# Altium PCB OFDMT1.PcbDoc (part 3 of 3)
Units mm, origin at the board's own origin, x right, y up, seen from the top; angles counter-clockwise.
Board outline 40.21 x 28.18 mm, 6 copper layers (Top Layer, GND1, SIGNAL, POWER, GND2, Bottom Layer), stack 0.816 mm thick; 270 components, 194 nets, 1281 pads, 664 vias.
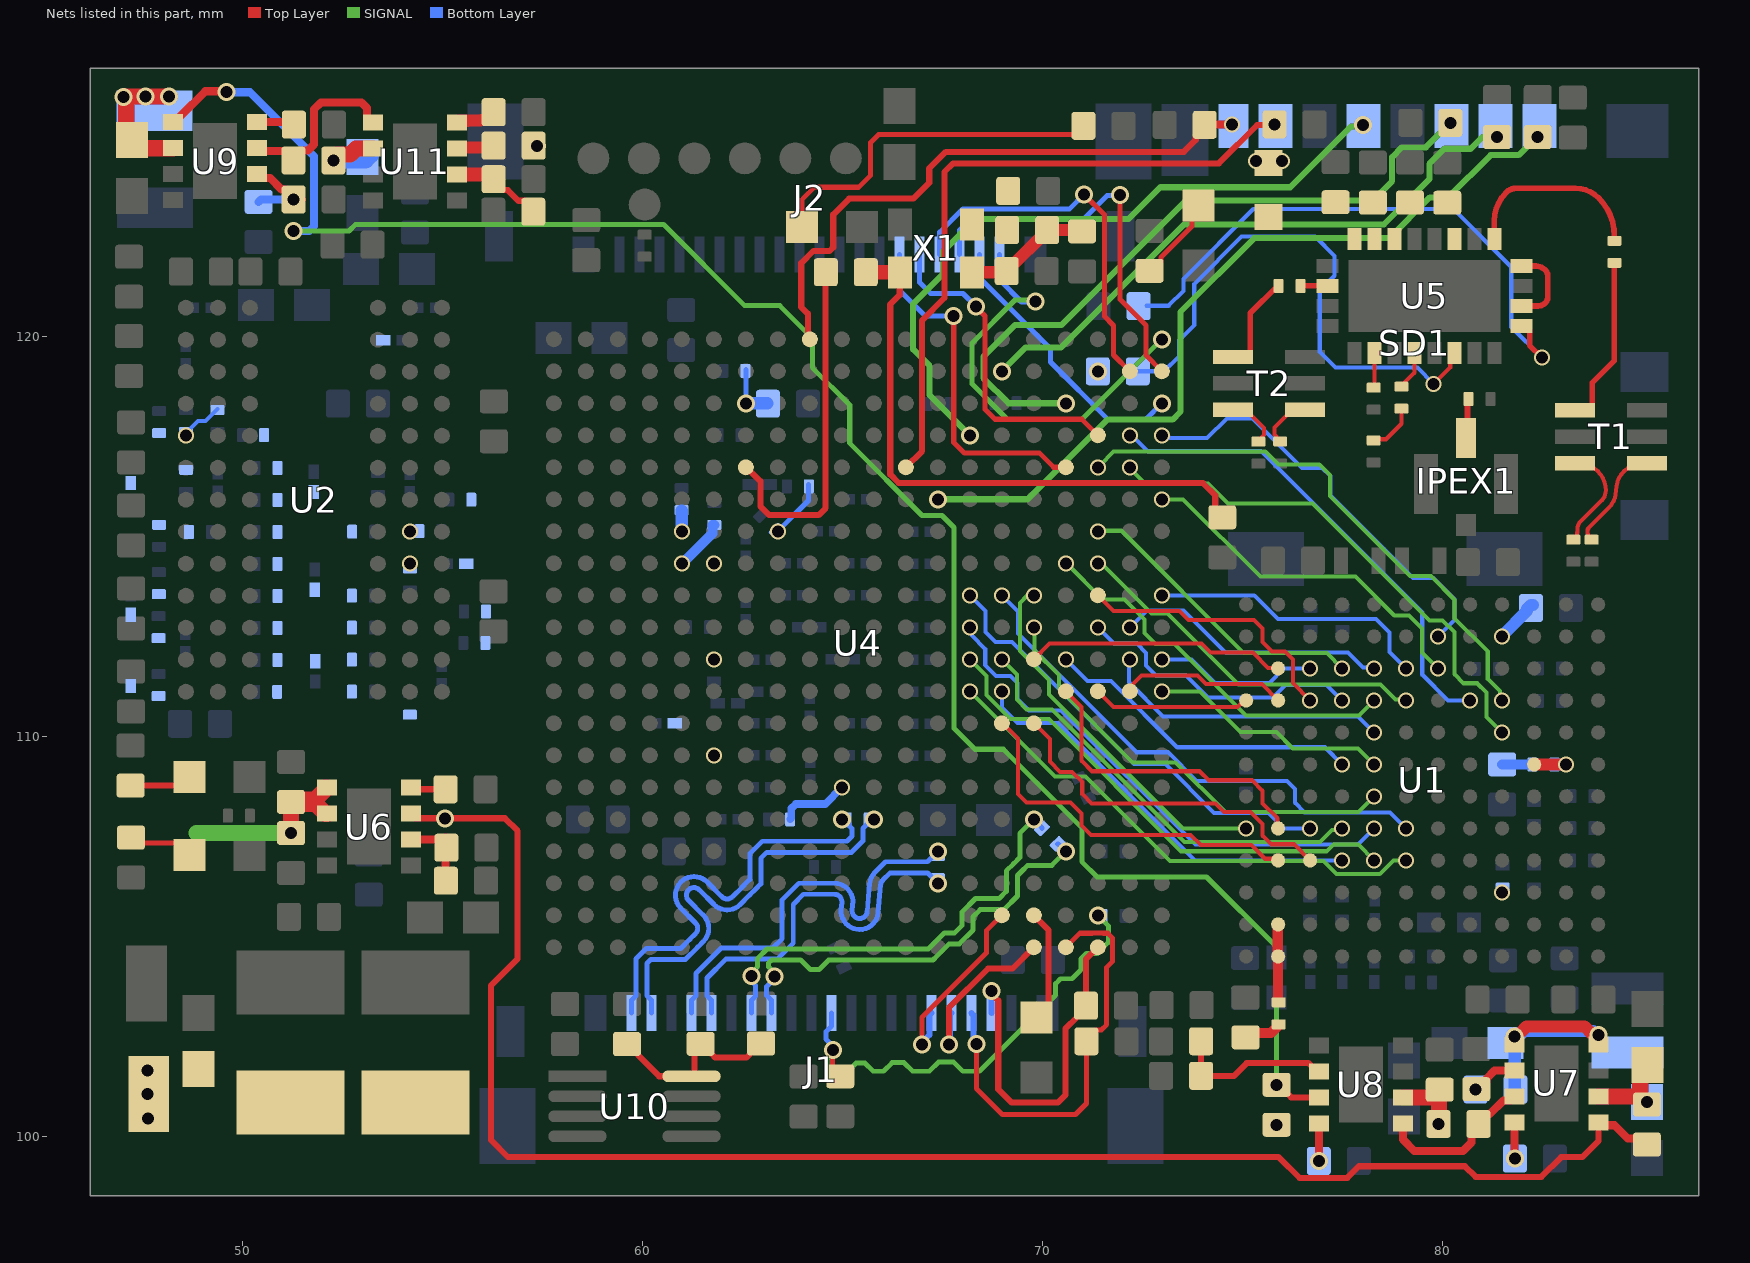
[diagram p7: the nets of this part, all layers, seen from the top]

## Via types
v1: diameter 0.4, hole 0.3, Top Layer to Bottom Layer, tented both sides, 519 vias
v2: diameter 0.45, hole 0.3, Top Layer to Bottom Layer, tented both sides, 130 vias
v3: diameter 0.5, hole 0.3, Top Layer to Bottom Layer, tented both sides, 15 vias

## Nets (pads, with @x,y where several pads share a name; then routed paths per layer and width w, separated by ;. In a path a pad name is that pad's centre, name@x,y a point inside that pad or via, vN(x,y) a via of type N, cw(c..) or ccw(c..) an arc to the next point about the centre after c; other vN are vias at no path point) (continued)
MIPI_D0_P: J1.10 R80.2 R81.1 U4.W18 | length 12.3
  Top Layer w0.123: v2(64.77,102.159) 64.757,102.146 64.757,101.689 R80.2@64.948,101.498
  SIGNAL w0.123: v2(64.77,102.159) 64.77,102.071 64.622,101.923 64.622,101.749 64.746,101.625 65.139,101.625 65.342,101.829 65.568,101.829 65.771,101.625 66.029,101.625 66.245,101.841 66.54,101.841 66.756,101.625 67.174,101.625 67.403,101.854 67.781,101.854 68.01,101.625 68.428,101.625 70.332,103.53 70.332,103.815 70.456,103.938 70.741,103.938 70.96,104.158 70.96,104.434 71.098,104.572 71.374,104.572 71.649,104.847 71.649,105.262 v2(71.387,105.524)
  Bottom Layer w0.123: J1.10@64.728,103.077 64.728,102.752 64.592,102.616 64.592,102.425 64.77,102.247 v2(64.77,102.159)
MIPI_D1_N: J1.13 R78.2 U4.U17 | length 11
  SIGNAL w0.123: v2(63.305,103.999) 63.305,104.087 63.159,104.232 63.159,104.335 63.231,104.407 63.96,104.407 64.197,104.169 64.419,104.169 64.657,104.407 67.265,104.407 67.374,104.515 67.67,104.811 67.924,104.811 68.265,105.152 68.265,105.487 68.445,105.667 69.037,105.667 69.378,106.008 69.378,106.519 69.478,106.62 69.632,106.774 70.236,106.774 v2(70.587,107.124)
  Bottom Layer w0.123: J1.13@63.228,103.077 63.228,103.402 63.107,103.522 63.107,103.744 63.305,103.941 v2(63.305,103.999) ; R78.2@70.381,107.309 70.392,107.309 70.576,107.124 v2(70.587,107.124)
MIPI_D1_P: J1.14 R78.1 U4.T16 | length 11
  SIGNAL w0.123: v2(62.735,104.003) 62.735,104.092 62.882,104.239 62.882,104.447 63.117,104.682 67.151,104.682 67.179,104.71 67.555,105.086 67.81,105.086 67.99,105.266 67.99,105.601 68.331,105.942 68.923,105.942 69.102,106.122 69.102,106.633 69.283,106.815 69.436,106.967 69.436,107.574 v2(69.787,107.924)
  Bottom Layer w0.123: J1.14@62.728,103.077 62.728,103.402 62.832,103.505 62.832,103.768 62.797,103.802 62.797,103.941 v2(62.735,104.003) ; v2(69.787,107.924) 69.787,107.913 69.992,107.708 R78.1@69.992,107.698
MIPI_D2_N: J1.16 R75.2 U4.V13 | length 9.9
  Bottom Layer w0.123: J1.16@61.728,103.077 61.728,103.402 61.616,103.514 61.616,103.957 62.095,104.436 63.382,104.436 63.772,104.826 63.772,105.795 64.027,106.05 64.238,106.05 64.799,106.05 cw(c64.799,105.862) 64.987,105.844 64.971,105.673 ccw(c65.434,105.632) 65.896,105.592 65.958,106.287 cw(c66.146,106.271) 66.013,106.405 66.194,106.586 66.374,106.586 66.912,106.586 67.128,106.586 67.387,106.328 v2(67.387,106.324)
MIPI_D2_P: J1.17 R75.1 U4.U13 | length 10.4
  Bottom Layer w0.123: J1.17@61.228,103.077 61.228,103.402 61.34,103.514 61.34,104.071 61.98,104.711 63.268,104.711 63.497,104.94 63.497,105.91 63.913,106.326 64.263,106.326 64.799,106.326 cw(c64.799,105.862) 65.262,105.889 65.267,105.885 65.246,105.65 ccw(c65.434,105.632) 65.622,105.616 65.684,106.313 cw(c66.146,106.271) 65.818,106.6 66.08,106.862 66.399,106.862 67.026,106.862 67.128,106.862 67.387,107.12 v2(67.387,107.124)
MIPI_D3_N: J1.20 R84.2 U4.T10 | length 10.8
  Bottom Layer w0.123: J1.20@59.728,103.077 59.728,103.402 59.84,103.514 59.84,104.436 60.099,104.695 60.96,104.695 61.189,104.924 61.329,105.064 ccw(c61.197,105.198) 61.33,105.332 60.962,105.699 cw(c61.291,106.028) 60.962,106.356 cw(c61.291,106.028) 61.619,106.355 61.986,105.989 ccw(c62.12,106.122) 62.254,105.989 62.494,106.229 62.636,106.371 62.687,106.422 62.687,107.064 62.998,107.375 65.115,107.375 65.241,107.5 65.241,107.69 65.172,107.759 65.172,107.808 65.153,107.827 65.063,107.827 64.987,107.904 v2(64.987,107.924)
MIPI_D3_P: J1.19 R84.1 U4.T11 | length 10.8
  Bottom Layer w0.123: J1.19@60.228,103.077 60.228,103.402 60.116,103.514 60.116,104.322 60.213,104.419 61.074,104.419 61.384,104.729 61.524,104.869 ccw(c61.197,105.198) 61.525,105.527 61.158,105.894 cw(c61.291,106.028) 61.424,106.161 ; 61.425,106.16 61.791,105.794 ccw(c62.12,106.122) 62.448,105.794 62.689,106.035 62.83,106.176 62.963,106.308 62.963,106.949 63.112,107.099 65.23,107.099 65.517,107.386 65.517,107.697 65.744,107.924 v2(65.787,107.924)
MIPI_GPIO0: J1.4 U4.Y16 | length 4.5
  Top Layer w0.152: v2(67.666,102.298) 67.666,103.215 68.642,104.191 69.253,104.191 U4.Y16@69.787,104.724
  Bottom Layer w0.152: v2(67.666,102.298) 67.687,102.32 67.687,103.036 J1.4@67.728,103.077
MIPI_GPIO1: J1.5 U4.W15 | length 4.9
  Top Layer w0.127: v2(66.988,102.295) 66.988,102.967 68.6,104.579 68.6,105.138 U4.W15@68.987,105.524
  Bottom Layer w0.152: v2(66.988,102.295) 66.988,102.341 67.179,102.533 67.179,103.028 J1.5@67.228,103.077
MIPI_SCL: J1.3 R92.2 U4.Y17 | length 10.9
  Top Layer w0.127: v2(68.351,102.311) 68.351,101.191 69,100.542 70.828,100.542 71.103,100.817 R92.2@71.103,102.375 71.103,102.418 71.338,102.654 71.473,102.654 71.608,102.789 71.608,104.224 71.759,104.374 71.759,104.953 71.636,105.076 71.534,105.076 ; U4.Y17@70.587,104.724 70.938,105.076 71.24,105.076 71.533,105.077
  Bottom Layer w0.152: J1.3@68.228,103.077 68.277,103.028 68.277,102.466 68.351,102.392 v2(68.351,102.311)
MIPI_SDA: J1.2 R91.2 U4.Y18 | length 9
  Top Layer w0.152: v2(68.733,103.631) 68.733,103.558 68.899,103.393 68.899,101.176 69.236,100.839 70.384,100.839 70.583,101.038 70.583,102.695 70.866,102.978 70.866,103.04 R91.2@71.09,103.264 ; R91.2@71.09,103.264 71.09,104.427 U4.Y18@71.387,104.724
  Bottom Layer w0.152: J1.2@68.728,103.077 68.731,103.079 68.731,103.628 v2(68.733,103.631)
NetC1_1: C1.1 FB5.2 R2.2 X1.4 | length 3.3
  Top Layer w0.305: X1.4@68.235,121.599 68.237,121.601 69.125,121.601 C1.1@69.126,121.602 ; C1.1@69.109,121.628 69.109,121.678 69.256,121.826 69.306,121.826 69.94,122.459 69.974,122.459 70.121,122.607 R2.2@70.121,122.657 FB5.2@71.006,122.657
NetC7_2: C7.2 R3.1 | length 0.7
  Bottom Layer w0.254: C7.2@81.496,109.296 R3.1@82.229,109.296
NetC8_2: C8.2 R5.1 | length 1
  Top Layer w0.254: C8.2@75.082,102.472 75.19,102.579 75.713,102.579 R5.1@75.908,102.773
NetC15_2: C15.2 L2.1 R13.1 U7.4 U7.5 | length 5.8
  Top Layer w0.305: v2(81.81,102.498) 81.85,102.498 81.922,102.57 81.933,102.57 82.106,102.743 83.557,102.743 83.742,102.558 83.878,102.558 v2(83.905,102.53)
  Bottom Layer w0.305: R13.1@81.831,101.169 81.81,101.19 v2(81.81,102.498) 81.85,102.498 81.922,102.57 81.985,102.57 82.044,102.629 83.767,102.629 83.866,102.53 v2(83.905,102.53)
NetC16_1: C16.1 FB1.2 U4.G8 | length 1.5
  Bottom Layer w0.127: C16.1@63.357,115.135 63.376,115.135 v1(63.387,115.124) ; C16.1@63.398,115.135 64.156,115.893 FB1.2@64.156,116.294
NetC31_2: C31.2 U7.8 | length 0.9
  Top Layer w0.203: U7.8@81.801,100.346 81.801,99.454 v2(81.813,99.441)
NetC33_1: C33.1 IPEX1.1 | length 1
  Top Layer w0.14: IPEX1.1@80.594,117.462 80.629,117.497 C33.1@80.629,118.432
NetC54_2: C54.2 U6.8 | length 0.9
  Top Layer w0.152: U6.8@54.216,108.714 54.257,108.674 C54.2@55.08,108.674
NetC100_2: C100.2 U8.8 | length 1
  Top Layer w0.203: U8.8@76.788,100.32 76.814,100.32 76.912,100.222 v2(76.912,99.382)
NetC103_2: C103.2 U9.8 | length 1.1
  Top Layer w0.203: U9.8@50.373,125.353 51.439,125.353 C103.2@51.486,125.4
NetC107_1: C107.1 T1.1 | length 4.3
  Top Layer w0.14: T1.1@83.314,118.148 83.634,118.148 83.744,118.258 83.744,118.38 83.745,118.382 83.745,118.835 84.303,119.392 C107.1@84.303,121.811
NetC108_1: C108.1 T2.1 | length 2
  Top Layer w0.14: T2.1@75.195,119.531 75.197,119.532 75.197,120.577 C108.1@75.879,121.26
NetC117_1: C117.1 C126.1 C127.1 C128.1 FB4.2 U5.19 U5.22 U5.23 U5.24
NetC129_1: C129.1 R67.1 | length 1.2
  Top Layer w0.104: R67.1@78.283,117.419 78.288,117.424 78.589,117.424 78.978,117.813 C129.1@78.978,118.165
NetC129_2: C129.2 U5.8 | length 1
  Top Layer w0.104: C129.2@78.978,118.765 79.303,119.089 U5.8@79.303,119.581
NetC140_1: C140.1 R25.2 R26.1 U10.8 | length 5.2
  Top Layer w0.152: R25.2@59.614,102.307 59.664,102.307 59.888,102.083 59.888,102.033 60.421,101.5 61.455,101.5 61.521,101.5 61.369,101.5 61.303,101.566 61.303,102.159 C140.1@61.455,102.311 61.505,102.311 61.729,102.087 61.729,102.057 61.818,101.968 62.604,101.968 62.693,102.057 62.693,102.095 62.917,102.319 R26.1@62.967,102.319 ; U10.8@61.6,101.5 U10.8@61.602,101.498
NetC142_2: C142.2 U11.8 | length 1.1
  Top Layer w0.305: U11.8@55.364,125.341 55.411,125.388 55.634,125.388 55.64,125.395 55.956,125.395 55.965,125.404 56.134,125.404 56.282,125.552 C142.2@56.282,125.602
NetC143_1: C143.1 R66.1 U4.C7 | length 1.4
  Bottom Layer w0.127: v2(62.587,118.324) R66.1@62.587,119.169 ; C143.1@63.129,118.324 C143.1@63.14,118.313
  Bottom Layer w0.305: v2(62.587,118.324) C143.1@63.129,118.324
NetD1_1: D1.1 R94.2 | length 1.6
  Top Layer w0.152: R94.2@47.206,108.766 48.465,108.766 D1.1@48.678,108.979
NetD2_1: D2.1 R63.2 | length 2.2
  Top Layer w0.127: R63.2@72.682,121.636 72.726,121.636 72.962,121.872 72.962,121.971 73.742,122.751 73.742,123.107 D2.1@73.901,123.267
NetD3_1: D3.1 R64.2 | length 9
  Top Layer w0.127: D3.1@63.996,122.729 63.996,123.422 64.299,123.725 65.408,123.725 65.708,124.025 65.708,124.844 65.905,125.041 70.807,125.041 R64.2@71.026,125.26
NetD5_1: D5.1 R71.2 | length 1.6
  Top Layer w0.127: R71.2@47.219,107.467 47.355,107.331 48.382,107.331 D5.1@48.678,107.036
NetR1_2: R1.2 R62.1 X1.3 | length 15
  Top Layer w0.152: X1.3@66.435,121.599 66.435,121.034 66.197,120.795 66.197,116.545 66.41,116.331 74.015,116.331 74.323,116.024 74.323,115.786 74.324,115.784 74.324,115.647 R62.1@74.498,115.473
  Top Layer w0.356: R1.2@65.587,121.602 65.589,121.601 66.434,121.601 X1.3@66.435,121.599
NetR2_1: R2.1 R8.2 X1.1
NetR3_2: R3.2 U1.G2 U1.G3 | length 0.8
  Top Layer w0.305: U1.G3@82.295,109.296 v1(83.095,109.296)
NetR4_1: R4.1 U1.C4
  other v1: 81.495,106.096
NetR5_2: R5.2 U1.A11 U1.B11 | length 1.9
  Top Layer w0.254: U1.A11@75.886,104.506 75.886,105.287 U1.B11@75.895,105.296 ; U1.A11@75.895,104.496 75.895,103.386 R5.2@75.908,103.373
NetR6_2: R6.2 U1.L4 | length 1.1
  Bottom Layer w0.305: v1(81.495,112.496) 81.495,112.513 82.118,113.136 82.118,113.186 82.216,113.284 R6.2@82.266,113.284
NetR9_1: R9.1 R10.2 U6.6 | length 1.8
  Top Layer w0.203: U6.6@54.216,107.414 55.03,107.414 55.083,107.467 55.083,106.569 R9.1@55.067,106.553
NetR12_1: R12.1 R13.2 U7.6 | length 1.2
  Top Layer w0.203: v2(80.831,101.169) 80.891,101.169 81.097,101.375 81.097,101.434 81.308,101.646 U7.6@81.801,101.646
NetR15_1: R15.1 R16.2 U8.6 | length 4
  Top Layer w0.152: R16.2@73.969,102.375 R15.1@73.969,101.511 74.793,101.511 75.111,101.829 76.657,101.829 76.865,101.62 U8.6@76.915,101.62
NetR18_1: R18.1 R19.2 U9.6 | length 2.3
  Top Layer w0.203: U9.6@50.379,124.045 50.471,123.953 50.697,123.953 50.983,123.667 51.084,123.667 51.182,123.569 51.182,123.469 51.232,123.419 R18.1@51.486,123.419
  Bottom Layer w0.203: R19.2@50.406,123.36 50.465,123.419 v2(51.283,123.419)
NetR21_2: R21.2 U2.H8
  other v1: 54.191,115.113
NetR24_2: R24.2 U4.G5 | length 0.5
  Bottom Layer w0.305: v1@60.987,115.15 R24.2@60.987,115.644
  other v1: 60.987,115.124
NetR27_2: R27.2 U4.H5 | length 1.3
  Bottom Layer w0.254: v1(60.987,114.324) 61.005,114.324 61.75,115.069 61.75,115.28 61.752,115.282 R27.2@61.798,115.282
NetR28_1: R28.1 R29.2 U11.6 | length 2.3
  Top Layer w0.152: R28.1@56.282,123.926 56.282,123.876 56.506,123.652 56.635,123.652 56.9,123.388 57.05,123.388 R29.2@57.274,123.164
  Top Layer w0.356: U11.6@55.364,124.041 56.167,124.041 R28.1@56.282,123.926
NetR68_2: R68.2 U5.13 | length 14.5
  Top Layer w0.14: U5.13@81.978,120.256 82.078,120.256 82.183,120.15 82.183,119.772 v1(82.486,119.469)
  Bottom Layer w0.104: R68.2@72.606,120.764 73.158,120.764 73.525,121.131 73.525,121.43 75.273,123.177 80.279,123.177 81.724,121.733 81.724,120.232 v1(82.486,119.469)
NetR69_2: R69.2 U5.10 | length 14.1
  Top Layer w0.104: v1(79.781,118.808) 80.196,119.223 80.196,119.473 U5.10@80.303,119.581
  Bottom Layer w0.104: R69.2@72.387,119.124 73.042,119.124 73.412,119.495 73.412,119.894 73.8,120.282 73.8,121.31 74.981,122.492 76.822,122.492 77.305,122.009 77.305,121.514 76.937,121.145 76.937,119.609 77.33,119.215 79.375,119.215 v1(79.781,118.808)
NetR70_1: R70.1 U5.6 | length 0.8
  Top Layer w0.104: R70.1@78.283,118.74 ccw(c78.235,118.788) 78.303,118.788 U5.6@78.303,119.581
NetR89_1: R89.1 U4.R10 | length 1.8
  Bottom Layer w0.191: R89.1@63.694,107.924 63.724,107.953 63.724,108.194 63.835,108.306 64.568,108.306 v1(64.987,108.724)
NetR90_1: R90.1 U4.L6
  other v1: 61.787,111.924
NetU5_14: U5.14 U5.16 | length 2.1
  Top Layer w0.141: U5.14@81.978,120.756 82.389,120.756 ccw(c82.389,121.015) 82.573,120.832 ccw(c82.412,120.992) 82.639,120.992 82.639,121.497 ccw(c82.412,121.497) 82.573,121.657 ccw(c82.335,121.42) 82.335,121.756 U5.16@81.978,121.756
PA_EN: R69.1 U4.B18 | length 0.1
  Bottom Layer w0.152: v2(71.387,119.124) R69.1@71.535,119.124
PL_A20: J2.20 U4.A20 | length 10.8
  SIGNAL w0.127: v2(69.825,120.867) 69.788,120.904 69.318,120.904 68.241,119.826 68.241,118.81 69.131,117.92 70.982,117.92 v2(72.987,119.924)
  Bottom Layer w0.127: J2.20@68.934,122.047 68.934,121.404 69.481,120.857 69.815,120.857 v2(69.825,120.867)
PL_B19: J2.17 U4.B19 | length 9.5
  Top Layer w0.127: v2(71.044,123.546) 71.552,123.038 71.552,120.498 71.78,120.269 71.78,119.531 U4.B19@72.187,119.124
  Bottom Layer w0.127: J2.17@67.434,122.047 67.434,122.603 68.017,123.185 70.684,123.185 v2(71.044,123.546)
PL_B20: J2.18 U4.B20 | length 9.8
  Top Layer w0.127: v2(71.945,123.533) 71.945,120.917 72.589,120.274 72.589,119.522 U4.B20@72.987,119.124
  Bottom Layer w0.127: J2.18@67.934,122.047 67.934,122.658 68.191,122.916 71.018,122.916 71.624,123.521 71.934,123.521 v2(71.945,123.533)
PL_C20: J2.19 U4.C20 | length 7
  Bottom Layer w0.127: J2.19@68.434,122.047 68.434,121.457 70.206,119.685 70.206,119.357 71.648,117.915 72.577,117.915 v2(72.987,118.324)
PL_D18: J2.16 U4.D18 | length 8.1
  Top Layer w0.127: v2(68.346,120.743) 68.346,120.731 68.569,120.507 68.569,118.176 68.819,117.926 70.986,117.926 U4.D18@71.387,117.524
  Bottom Layer w0.127: J2.16@66.934,122.047 66.934,121.344 67.208,121.069 68.019,121.069 v2(68.346,120.743)
PL_E17: J2.15 U4.E17 | length 8.7
  Top Layer w0.127: v2(67.785,120.508) 67.785,117.343 68.051,117.077 69.933,117.077 70.285,116.724 U4.E17@70.587,116.724
  Bottom Layer w0.127: J2.15@66.434,122.047 66.434,121.145 67.071,120.508 v2(67.785,120.508)
PL_W16: D4.2 U4.W16 | length 2.8
  Top Layer w0.152: U4.W16@69.787,105.524 70.153,105.158 70.153,103.276 D4.2@69.85,102.972
PS_REF_CLK: R1.1 U4.E7 | length 8.7
  Top Layer w0.152: U4.E7@62.587,116.724 62.603,116.724 62.952,116.375 62.952,115.745 63.168,115.529 64.407,115.529 64.583,115.704 64.583,121.487 R1.1@64.605,121.509
RX1A_N: C9.1 T1.4 | length 2.7
  Top Layer w0.102: C9.1@83.731,114.938 83.672,114.997 cw(c83.77,115.094) 83.632,115.094 83.629,115.097 83.629,115.139 cw(c83.731,115.139) 83.659,115.211 84.166,115.717 ccw(c83.743,116.14) 84.341,116.14 84.341,116.141 cw(c85.027,116.141) 85.027,116.828 T1.4@85.114,116.828
RX1A_P: C10.1 T1.3 | length 2.7
  Top Layer w0.102: C10.1@83.274,114.938 83.333,114.997 ccw(c83.235,115.094) 83.373,115.094 83.376,115.097 83.376,115.192 cw(c83.604,115.192) 83.442,115.353 83.985,115.895 ccw(c83.739,116.141) 84.087,116.141 ccw(c83.401,116.141) 83.401,116.828 T1.3@83.314,116.828
RX_1: C107.2 U5.17 | length 4.8
  Top Layer w0.14: U5.17@81.303,122.431 81.303,122.885 cw(c82.309,122.885) 81.598,123.596 cw(c81.843,123.351) 81.843,123.698 83.326,123.698 cw(c83.326,122.874) 83.909,123.457 cw(c82.958,122.506) 84.303,122.506 84.303,122.411 C107.2@84.282,122.431
RX_D0: U1.K11 U4.L16 | length 6.5
  Top Layer w0.102: U4.L16@69.773,111.91 70.181,112.319 73.983,112.319 74.208,112.093 75.261,112.093 75.645,111.71 75.882,111.71 U1.K11@75.895,111.696
RX_D1: U1.J12 U4.M18 | length 3.9
  Top Layer w0.102: U4.M18@71.387,111.124 71.784,110.727 74.876,110.727 75.045,110.896 U1.J12@75.095,110.896
RX_D2: U1.K10 U4.L20 | length 4.1
  Bottom Layer w0.102: v1(72.987,111.924) 73.731,111.924 74.319,111.336 75.673,111.336 76.034,111.696 v1(76.695,111.696)
RX_D3: U1.J11 U4.M19 | length 4.2
  Top Layer w0.102: U4.M19@72.187,111.124 72.187,111.227 72.478,111.517 73.877,111.517 74.092,111.303 75.489,111.303 U1.J11@75.895,110.896
RX_D4: U1.K9 U4.G18 | length 7.5
  SIGNAL w0.102: v1@71.399,115.138 71.973,115.138 75.03,112.081 77.111,112.081 v1(77.495,111.696)
  other v1: 71.387,115.124
RX_D5: U1.J10 U4.J18 | length 7
  Top Layer w0.102: U4.J18@71.352,113.559 71.678,113.233 71.783,113.128 73.433,113.128 73.655,112.907 75.288,112.907 75.501,112.693 75.501,112.354 75.736,112.12 76.069,112.12 76.265,111.923 76.265,111.326 v1(76.695,110.896)
RX_D6: U1.K8 U4.K19 | length 6.9
  Bottom Layer w0.102: v1(72.187,112.724) 72.612,113.149 73.529,113.149 74.581,112.097 77.637,112.097 78.019,111.715 78.276,111.715 v1(78.295,111.696)
RX_D7: U1.J9 U4.K18 | length 7.3
  Bottom Layer w0.102: v1(71.387,112.724) 71.792,112.319 72.361,112.319 72.595,112.085 72.595,111.766 72.843,111.518 73.59,111.518 74.138,110.97 75.766,110.97 76.078,111.282 77.11,111.282 v1(77.495,110.896)
RX_D8: U1.K7 U4.J20 | length 7.1
  Bottom Layer w0.102: v1@73.039,113.524 75.298,113.524 75.888,112.935 78.337,112.935 78.682,112.59 78.682,112.109 v1(79.095,111.696)
  other v1: 72.987,113.524
RX_D9: U1.J8 U4.H17 | length 9.6
  SIGNAL w0.102: v1@70.612,114.313 71.508,113.417 72.054,113.417 72.556,112.914 72.556,112.585 72.831,112.31 73.301,112.31 75.088,110.523 77.922,110.523 v1(78.295,110.896)
  other v1: 70.587,114.324
RX_D10: U1.J7 U4.H18 | length 9.1
  SIGNAL w0.102: v1@71.45,114.338 72.724,113.064 73.128,113.064 74.901,111.291 78.458,111.291 78.826,110.923 79.069,110.923 v1(79.095,110.896)
  other v1: 71.387,114.324
RX_D11: U1.H8 U4.L19 | length 7.2
  Bottom Layer w0.102: v1@72.161,111.849 72.161,111.35 73.017,110.494 77.897,110.494 v1(78.295,110.096)
  other v1: 72.187,111.924
RX_FRAME_P: U1.G8 U4.M20 | length 6.1
  SIGNAL w0.102: v1(72.987,111.124) 73.94,111.124 74.957,110.108 75.85,110.108 76.26,109.697 77.895,109.697 v1(78.295,109.296)
SD_CLK: SD1.5 U4.D14 | length 17.3
  SIGNAL w0.152: v2(68.187,117.524) 67.18,118.531 67.18,119.261 66.771,119.67 66.771,120.807 67.522,121.558 67.522,122.13 68.325,122.933 72.158,122.933 72.952,123.726 76.198,123.726 77.718,125.247 77.977,125.247 v2(78.016,125.285)
SD_CMD: R59.1 SD1.3 U4.C17 | length 17.3
  SIGNAL w0.152: v2(70.587,118.324) 69.156,118.324 68.526,118.954 68.526,119.491 69.314,120.279 70.476,120.279 73.59,123.393 78.259,123.393 78.742,123.877 78.742,124.479 78.984,124.72 79.585,124.72 v1(80.2,125.336)
SD_D0: R60.1 SD1.7 U4.E12 | length 16.7
  Top Layer w0.152: U4.E12@66.587,116.724 66.992,117.13 66.992,120.396 67.553,120.957 67.553,124.106 67.767,124.32 74.41,124.32 75.367,125.278 75.928,125.278 R60.1@75.934,125.283
  other v1: 75.806,125.298
SD_D1: R61.1 SD1.8 U4.A9 | length 15.1
  Top Layer w0.152: U4.A9@64.187,119.924 64.14,119.972 64.14,120.563 63.973,120.73 63.973,121.827 64.277,122.132 64.684,122.132 64.773,122.221 64.773,123.039 65.173,123.439 66.774,123.439 67.174,123.839 67.174,124.197 67.587,124.61 73.536,124.61 73.835,124.909 73.835,125.012 73.932,125.109 74.035,125.109 74.035,125.262 R61.1@74.058,125.285
  Top Layer w0.191: R61.1@74.051,125.094 74.251,125.294 v1(74.741,125.294)
SD_D2: R33.2 SD1.1 U4.F13 | length 20.2
  SIGNAL w0.152: v2(67.387,115.924) 69.633,115.924 71.626,117.917 73.256,117.917 73.454,118.115 73.454,120.609 75.298,122.453 78.675,122.453 79.691,123.469 80.149,123.469 81.208,124.528 81.908,124.528 82.36,124.981 v1(82.385,124.981)
SD_D3: R58.1 SD1.2 U4.B15 | length 15
  SIGNAL w0.152: v2(68.987,119.124) 69.584,119.721 70.47,119.721 73.546,122.796 78.542,122.796 79.675,123.929 79.675,124.311 80.053,124.689 80.709,124.689 81.001,124.981 v1(81.369,124.981)
SPI_CLK: U1.J5 U4.D19 | length 12.1
  Bottom Layer w0.102: v1@72.212,117.538 72.625,117.125 75.47,117.125 79.498,113.098 79.498,111.538 80.14,110.896 v1(80.695,110.896)
  other v1: 72.187,117.524
SPI_DI: U1.J4 U4.E18 | length 13.9
  SIGNAL w0.102: v1@71.438,116.726 71.438,116.775 71.782,117.119 75.573,117.119 75.901,116.791 76.923,116.791 77.188,116.527 77.188,116.006 79.19,114.004 79.713,114.004 80.305,113.413 80.305,112.948 81.136,112.116 81.136,111.43 81.438,111.128 81.438,110.953 v1(81.495,110.896)
  other v1: 71.387,116.724
SPI_DO: U1.L6 U4.D20 | length 10.8
  Bottom Layer w0.102: v1(72.987,117.524) 73.044,117.467 73.181,117.467 73.196,117.453 74.12,117.453 74.617,117.949 75.257,117.949 76.495,116.711 76.993,116.711 77.201,116.503 77.201,116.023 79.265,113.96 79.776,113.96 80.302,113.434 80.302,112.903 v1(79.895,112.496)
SPI_ENB: U1.K6 U4.F20 | length 9
  SIGNAL w0.102: v1(72.987,115.924) 73.522,115.924 75.452,113.994 77.827,113.994 78.798,113.023 79.166,113.023 79.497,112.692 79.497,112.095 v1(79.895,111.696)
TX1A_N: C23.1 T2.3 | length 1.3
  Top Layer w0.102: T2.3@74.767,118.161 75.087,118.161 75.546,117.702 75.546,117.535 C23.1@75.4,117.389
TX1A_P: C24.1 T2.4 | length 1.3
  Top Layer w0.102: C24.1@75.946,117.394 75.8,117.54 75.8,117.715 76.247,118.161 T2.4@76.567,118.161
TX_1: C108.2 U5.2 | length 0.7
  Top Layer w0.14: C108.2@76.479,121.26 U5.2@77.124,121.26
  Top Layer w0.305: U5.2@77.124,121.26 U5.2@77.128,121.256
TX_D0: U1.E12 U4.J16 | length 9.3
  SIGNAL w0.102: v1@69.748,113.513 69.621,113.513 69.444,113.335 69.444,112.128 70.168,111.404 70.168,111.044 73.516,107.697 v1(75.095,107.697)
  other v1: 69.787,113.524
TX_D1: U1.D11 U4.N15 | length 9.3
  Top Layer w0.102: U4.N15@69,110.337 69.394,109.943 69.394,108.556 69.607,108.343 70.704,108.343 70.983,108.064 70.983,107.771 71.22,107.534 73.704,107.534 73.961,107.277 75.223,107.277 75.563,106.938 75.854,106.938 U1.D11@75.895,106.896
TX_D2: U1.E11 U4.M17 | length 7.8
  Top Layer w0.102: U4.M17@70.587,111.124 70.979,110.733 70.979,110.197 70.979,109.388 71.242,109.125 73.933,109.125 74.157,108.9 75.237,108.9 75.5,108.637 75.5,108.323 75.873,107.95 75.873,107.719 U1.E11@75.895,107.697
TX_D3: U1.D10 U4.N16 | length 9
  Top Layer w0.102: U4.N16@69.793,110.331 70.189,109.935 70.189,109.364 70.443,109.109 70.747,109.109 70.998,108.858 70.998,108.554 71.233,108.319 74.331,108.319 74.542,108.108 75.2,108.108 75.502,107.806 75.502,107.513 75.715,107.3 76.291,107.3 U1.D10@76.695,106.896
TX_D4: U1.E10 U4.J14 | length 11.2
  Bottom Layer w0.102: v1(68.187,113.524) 68.583,113.128 68.583,112.605 68.827,112.36 69.236,112.36 72.291,109.306 73.076,109.306 74.297,108.085 75.653,108.085 76.042,107.697 v1(76.695,107.697)
TX_D5: U1.D9 U4.M15 | length 10.5
  Bottom Layer w0.102: v1(68.987,111.124) 68.987,110.719 69.378,110.327 70.387,110.327 73.818,106.896 v1(77.495,106.896)
TX_D6: U1.E9 U4.L15 | length 10.9
  SIGNAL w0.102: v1(68.987,111.924) 69.363,111.548 69.363,110.914 69.603,110.674 70.237,110.674 73.558,107.353 76.946,107.353 77.245,107.652 77.45,107.652 v1(77.495,107.697)
TX_D7: U1.D8 U4.L14 | length 12.6
  SIGNAL w0.102: v1(68.187,111.924) 68.603,111.508 68.603,111.028 69.204,110.426 70.168,110.426 73.469,107.124 77.109,107.124 77.274,107.289 77.902,107.289 v1(78.295,106.896)
TX_D8: U1.E8 U4.K14 | length 13.1
  Bottom Layer w0.102: v1(68.187,112.724) 68.244,112.667 68.244,112.515 68.572,112.187 68.572,111.781 68.846,111.507 69.203,111.507 69.38,111.33 69.38,110.927 69.663,110.644 70.47,110.644 73.824,107.29 77.889,107.29 v1(78.295,107.697)
TX_D9: U1.D7 U4.M14 | length 12.9
  SIGNAL w0.102: v1(68.187,111.124) 70.32,108.991 71.082,108.991 73.189,106.884 77.027,106.884 77.354,106.557 78.436,106.557 78.776,106.896 v1(79.095,106.896)
TX_D10: U1.F8 U4.K16 | length 11.1
  SIGNAL w0.102: v1(69.787,112.724) 69.803,112.708 69.803,112.138 70.411,111.529 70.411,111.195 72.259,109.347 73.33,109.347 74.574,108.102 77.901,108.102 v1(78.295,108.496)
TX_D11: U1.E7 U4.J15 | length 13.1
  Bottom Layer w0.102: v1(68.987,113.524) 69.389,113.122 69.389,112.566 72.355,109.6 73.143,109.6 73.86,108.883 76.116,108.883 76.316,108.684 76.316,108.338 76.558,108.096 78.695,108.096 v1(79.095,107.697)
TX_FRAME_P: U1.G9 U4.L17 | length 8
  Bottom Layer w0.102: v1(70.587,111.924) 71.13,111.381 71.716,111.381 73.372,109.725 77.066,109.725 v1(77.495,109.296)
TXNRX_ENSM: U1.H4 U4.E19 | length 13
  SIGNAL w0.102: v1@72.202,116.685 72.567,116.32 74.138,116.32 74.637,115.821 76.753,115.821 79.677,112.898 80.007,112.898 80.303,112.602 80.303,111.551 80.529,111.324 80.873,111.324 81.105,111.092 81.105,110.486 v1(81.495,110.096)
  other v1: 72.187,116.724
VCC13_PG: R14.2 U7.7 U8.1 | length 4.1
  Top Layer w0.203: U8.1@79.015,100.32 79.015,99.915 79.298,99.632 80.516,99.632 80.731,99.846 80.731,100.132 R14.2@80.904,100.305 80.904,100.355 81.102,100.553 81.185,100.553 81.529,100.897 81.702,100.897 U7.7@81.801,100.996
VCC15_PG: R20.2 U9.7 U11.1 | length 4.5
  Top Layer w0.203: U9.7@50.245,124.633 51.091,124.633 51.253,124.472 51.426,124.645 51.641,124.645 51.794,124.798 51.794,125.675 51.953,125.833 51.964,125.844 52.98,125.844 53.115,125.709 53.115,125.439 53.214,125.341 U11.1@53.264,125.341
VCC18_PG: R17.2 U8.7 U9.1 | length 47.8
  Top Layer w0.152: v2(75.857,101.287) 75.907,101.287 76.131,101.063 76.131,101.059 76.22,100.97 U8.7@76.915,100.97
  Top Layer w0.203: U9.1@48.442,125.493 49.073,126.124 49.582,126.124 v2(49.605,126.101)
  SIGNAL w0.127: v2(51.279,122.631) 52.667,122.631 52.833,122.797 60.527,122.797 62.56,120.764 63.436,120.764 64.249,119.951 64.249,119.215 65.184,118.28 65.184,117.327 66.992,115.519 67.49,115.519 67.792,115.217 67.792,110.198 68.315,109.676 69.024,109.676 70.988,107.712 70.988,106.866 71.37,106.483 74.106,106.483 75.857,104.732 v2(75.857,101.287)
  Bottom Layer w0.203: v2(49.605,126.101) 50.191,126.101 51.791,124.501 51.791,122.751 51.672,122.631 v2(51.279,122.631)
VCC33_PG: R30.2 U11.7 | length 0.9
  Top Layer w0.305: U11.7@55.423,124.715 56.233,124.715 R30.2@56.282,124.764
VCCINT_PG: R11.2 U6.7 U7.1 | length 41.4
  Top Layer w0.152: U6.7@54.216,108.064 54.331,107.95 v2(55.067,107.95) 56.564,107.95 56.881,107.633 56.881,104.437 56.217,103.773 56.217,99.904 56.642,99.479 75.908,99.479 76.429,98.958 77.622,98.958 77.915,99.251 80.565,99.251 80.832,98.984 82.474,98.984 82.969,99.479 83.502,99.479 83.901,99.877 U7.1@83.901,100.346
  Top Layer w0.203: U7.1@83.901,100.346 83.971,100.275 84.305,100.275 84.636,99.943 84.964,99.943 R11.2@85.115,99.792
VIN: C21.1 C22.1 C28.2 C30.2 C88.2 C102.2 C139.1 C141.2 C144.2 C145.2 FB4.1 pwr+1.1 pwr+.1 R11.1 R14.1 R17.1 R20.1 R30.1 U6.1 U6.2 U7.2 U8.2 U9.2 U11.2 | length 14.8
  Top Layer w0.406: C88.2@47.244,125.033 C88.2@47.244,124.906 47.244,124.898 47.441,124.701 U9.2@48.273,124.701 ; C88.2@47.244,125.086 47.244,125.136 47.095,125.285 47.095,125.905 47.028,125.972 v2(47.028,125.984) 47.036,125.992 47.067,125.992 47.072,125.997 v2(47.574,125.997) v2(48.171,125.997) ; v2(51.219,107.582) C22.1@51.219,108.356 ; U6.2@52.116,108.064 52.073,108.064 52.066,108.071 52.066,108.072 51.828,108.31 51.265,108.31 C22.1@51.219,108.356 ; U6.1@52.116,108.714 52.073,108.714 52.069,108.711 52.069,108.668 51.816,108.414 51.277,108.414 C22.1@51.219,108.356 ; v2(52.278,124.396) 52.278,124.447 52.375,124.543 52.694,124.543 52.842,124.691 U11.2@53.264,124.691 ; U8.2@79.015,100.97 79.69,100.97 79.884,101.164 C21.1@79.934,101.164 79.919,101.148 79.919,100.32 v2(79.904,100.305) ; U7.2@83.901,100.996 84.862,100.996 84.969,100.889 85.019,100.889 R11.1@85.115,100.792 ; R11.1@84.95,100.957 84.95,101.6 C102.2@85.128,101.778
  SIGNAL w0.406: 48.857,107.582 v2(51.219,107.582)
  Bottom Layer w0.406: v2(52.278,124.396) 53.084,124.396 C141.2@53.213,124.525
  other v1: 47.638,100.444 47.625,101.054 47.625,101.638 75.336,124.384 75.997,124.384
  other v2: 75.857,100.287 85.115,100.851 57.366,124.752
VTTREF: C18.1 C19.2 C130.1 C131.1 C132.1 C133.1 C134.1 C135.1 C136.1 C137.1 C138.1 R22.1 R23.2 R32.2 R34.2 R35.2 R36.2 R37.2 R38.2 R39.2 R40.2 R41.2 R42.2 R43.2 R44.2 R45.2 R46.2 R47.2 R48.2 R49.2 R50.2 R52.2 R53.2 R54.2 R55.2 R56.2 R57.2 U2.E1 U2.J8 U4.H6 U4.P6 | length 1
  Bottom Layer w0.102: R22.1@48.59,117.581 48.89,117.881 49.078,117.881 R23.2@49.378,118.181
  other v1: 61.787,109.524 54.191,114.313 61.787,114.324 48.591,117.513
pads on no net: T1.6 T2.6 U1.A3 U1.B3 U1.B4 U1.B5 U1.B6 U1.B7 U1.C3 U1.C5 U1.C6 U1.D4 U1.D5 U1.D6 U1.E4 U1.E5 U1.E6 U1.F4 U1.F5 U1.F6 U1.G4 U1.G7 U1.H11 U1.L5 U1.M3 U1.M11 U2.A3 U2.A7 U2.F1 U2.F9 U2.H1 U2.H9 U2.J7 U4.A14 U4.A15 U4.A16 U4.A17 U4.B5 U4.B9 U4.B13 U4.B14 U4.B17 U4.C5 U4.C6 U4.C10 U4.C13 U4.C15 U4.C16 U4.C18 U4.D9 U4.D10 U4.D11 U4.D13 U4.D15 U4.E2 U4.E3 U4.E8 U4.E9 U4.E11 U4.E13 U4.E14 U4.E16 U4.F1 U4.F2 U4.F12 U4.F14 U4.F15 U4.F16 U4.F17 U4.G2 U4.G3 U4.G14 U4.G15 U4.G17 U4.G19 U4.H1 U4.H2 U4.H3 U4.H15 U4.H20 U4.J1 U4.J3 U4.J19 U4.K9 U4.L10 U4.N17 U4.N20 U4.P1 U4.P3 U4.P14 U4.P15 U4.P16 U4.P18 U4.P19 U4.P20 U4.R1 U4.R2 U4.R3 U4.R14 U4.R16 U4.R17 U4.R18 U4.R19 U4.T1 U4.T2 U4.T4 U4.T5 U4.T9 U4.T12 U4.T14 U4.T15 U4.T17 U4.T19 U4.T20 U4.U2 U4.U3 U4.U4 U4.U5 U4.U7 U4.U8 U4.U9 U4.U10 U4.U12 U4.U14 U4.U15 U4.U20 U4.V1 U4.V2 U4.V3 U4.V5 U4.V6 U4.V7 U4.V8 U4.V10 U4.V11 U4.V12 U4.V15 U4.V16 U4.V17 U4.V18 U4.V20 U4.W1 U4.W3 U4.W4 U4.W5 U4.W6 U4.W8 U4.W9 U4.W10 U4.W11 U4.W20 U4.Y1 U4.Y2 U4.Y3 U4.Y4 U4.Y6 U4.Y7 U4.Y8 U4.Y9 U4.Y11 U4.Y12 U4.Y13 U4.Y19

## Polygon pours and split planes (outlines as drawn)
+1.0 on Top Layer "NONET_L02_P-001" (solid, pour order 4): 67.852,115.57 62.179,115.57 62.179,108.306 67.776,108.306
GND on Top Layer "NONET_L02_P-001" (solid, pour order 1): 86.004,124.975 86.004,111.633 84.099,109.728 77.191,109.728 77.191,111.201 74.955,113.436 74.955,115.76 73.533,117.183 73.533,120.587 73.889,120.587 74.435,121.133 74.435,123.876 75.547,124.988
+3.3 on POWER "NONET_L02_P-001" (solid, pour order 16): 66.587,117.524 63.997,117.524 63.203,118.318 63.203,122.958 68.888,122.958 69.24,122.606 69.24,119.671 69.787,119.124 69.787,117.524 68.987,116.724 67.387,116.724
GND on POWER "NONET_L02_P-001" (solid, pour order 15): 84.438,115.019 85.542,116.124 85.542,124.999 84.519,126.022 70.739,126.022 69.355,124.638 69.355,119.964 70.195,119.124 72.481,119.124 76.558,115.047 77.008,115.047
+1.8 on POWER "NONET_L02_P-001" (solid, pour order 3): 65.787,114.324 68.187,114.324 68.224,107.899 67.412,107.899 64.592,107.899 62.217,104.669 62.217,98.895 80.15,98.895 80.15,103.016 74.41,103.016 74.41,117.116 72.659,118.745 70.018,118.709 69.585,118.443 69.297,116.725 66.524,116.721 64.987,116.724 64.008,116.717 63.387,115.924 63.387,111.124 64.187,110.324 64.187,108.724 64.987,108.724 65.787,109.524
+1.5 on POWER "NONET_L02_P-001" (solid, pour order 2): 62.166,122.53 58.75,125.946 47.104,125.946 47.104,110.439 50.444,107.099 57.036,107.099 57.81,106.324 60.871,106.324 62.166,108.138
1P3V_A on POWER "NONET_L02_P-001" (solid, pour order 6): 85.541,114.63 74.409,114.63 74.409,105.182 75.54,104.051 85.434,104.051
+1.0 on POWER "NONET_L02_P-001" (solid, pour order 13): 57.02,106.709 52.632,106.709 52.165,106.049 52.165,105.124 53.581,103.708 63.377,103.708 63.78,104.111 63.78,107.095 64.96,108.275 62.331,108.275 62.331,107.442 61.1,106.21 57.342,106.21
+1.0 on POWER "NONET_L02_P-001" (solid, pour order 8): 68.187,114.324 65.787,114.324 65.787,115.124 62.23,115.924 62.23,108.281 62.612,107.899 68.224,107.925
VIN on SIGNAL "NONET_L02_P-001" (solid, pour order 12): 49.535,125.945 46.834,125.946 46.749,125.809 46.749,99.403 47.104,99.047 85.471,99.047 85.471,100.99 76.619,100.99 76.581,101.028 76.568,101.016 51.244,101.016 49.047,103.213 49.047,120.231 52.603,123.787 76.16,123.787 76.313,123.939 76.313,124.966 75.334,125.945
GND on SIGNAL "NONET_L02_P-001" (solid, pour order 14): 84.884,125.127 83.904,124.146 81.564,124.146 79.82,122.403 76.556,122.403 76.022,121.869 75.755,121.869 73.812,119.926 73.812,117.792 74.561,117.792 75.158,117.196 76.657,117.196 80.241,113.612 84.884,113.612
1P3V_B on SIGNAL "NONET_L02_P-001" (solid, pour order 5): 81.825,112.151 84.652,112.151 84.652,106.919 81.454,103.721 76.105,103.721 76.105,105.179 76.791,105.865 79.496,105.865 79.496,107.046 81.853,109.403
+1.0 on Bottom Layer "NONET_L02_P-001" (solid, pour order 9): 63.386,110.452 62.715,110.452 61.406,109.144 53.797,109.144 53.657,109.004 53.657,105.219 53.861,105.016 59.679,105.016 63.387,108.724
VTTREF on Bottom Layer "NONET_L02_P-001" (solid, pour order 10): 61.123,108.86 62.141,109.878 62.141,116.408 58.306,120.244 47.676,120.244 46.622,119.189 46.622,110.007 47.837,108.792
1P3V_A on Bottom Layer "NONET_L02_P-001" (solid, pour order 7): 79.553,105.575 79.527,105.588 78.181,105.588 78.181,105.423 77.635,104.877 76.657,104.877 76.657,104.318 76.707,104.268 79.272,104.268 79.272,104.304 79.578,104.61
GND on GND1 "NONET_L02_P-001" (solid, pour order 0): 46.469,126.628 86.335,126.628 86.335,98.628 46.445,98.628
GND on GND2 "NONET_L02_P-001" (solid, pour order 11): 46.622,126.289 46.584,126.251 46.584,98.908 85.852,98.908 86.03,99.085 86.03,126.289

## Keep-outs
Keep-Out Layer:
  the board outline again, w0.254

## Other copper
Top Layer:
  rectangle net GND: 71.92,99.911 73.127,101.663
  rectangle net +3.3: 72.72,124.917 73.368,126.301
  rectangle net VIN: 75.123,123.83 76.196,124.683
  rectangle net GND: 55.778,105.067 56.502,106.731
  rectangle net GND: 46.752,102.638 55.728,104.762
  rectangle net VIN: 46.825,99.746 55.702,102.298
  rectangle net GND: 76.581,123.868 80.862,124.791
  rectangle net +1.0: 51.867,105.067 54.47,106.591
  rectangle net GND: 83.642,103.048 85.547,108.115
  rectangle net GND: 79.604,102.157 80.964,104.775
  rectangle net +3.3: 58.445,125.832 83.68,126.301
  rectangle net NetR2_1: 67.945,122.39 69.469,124.028
  rectangle net 1P3V_A: 76.496,113.289 77.644,114.497
  rectangle net NetC117_1: 75.298,122.809 77.622,123.495
  rectangle net NetC117_1: 80.118,122.157 80.479,123.312
  rectangle net NetC117_1: 78.816,123.042 80.512,123.648
  rectangle net NetC117_1: 77.071,122.148 79.007,123.634
GND2:
  pour cut-out: 61.787,114.324 57.35,118.761 48.291,118.761 48.291,108.947 50.343,106.896 59.159,106.896 61.787,109.524
Bottom Layer:
  rectangle net GND: 49.2,99.085 59.093,103.645
  rectangle net VIN: 46.711,124.904 48.844,126.314
  rectangle net GND: 77.9,120.321 81.219,121.673
  rectangle net GND: 78.93,114.821 83.629,118.199
  rectangle net GND: 69.837,99.276 72.466,104.75
  rectangle net +1.0: 51.867,105.004 54.602,106.329
  rectangle net GND: 69.571,121.399 72.326,122.695
  rectangle net +3.3: 53.886,121.272 55.677,122.961
  rectangle net GND: 50.99,120.358 53.569,122.161
  rectangle net GND: 77.713,98.973 79.451,101.297
  rectangle net NetC15_2: 83.587,101.689 84.823,102.78
  rectangle net GND: 46.85,121.539 47.739,122.898
  rectangle net GND: 46.85,122.898 49.898,124.346
  rectangle net +1.5: 49.098,120.51 50.66,122.593
  rectangle net +1.5: 50.129,121.501 50.876,122.593
  rectangle net +1.3: 81.242,102.921 84.76,103.67
  rectangle net +3.3: 60.617,119.093 61.862,119.939

## Silkscreen, mask and mechanical layers (free items; w line width, h text height)
Bottom Overlay:
  text "+" at 48.12,124.255 h1.52
  text "GND" at 48.997,121.576 h1.52
Bottom Solder:
  text "REV 0" at 55.004,100.256 h2